# Altium PCB LST_UP.PcbDoc (part 3 of 5) (continued)
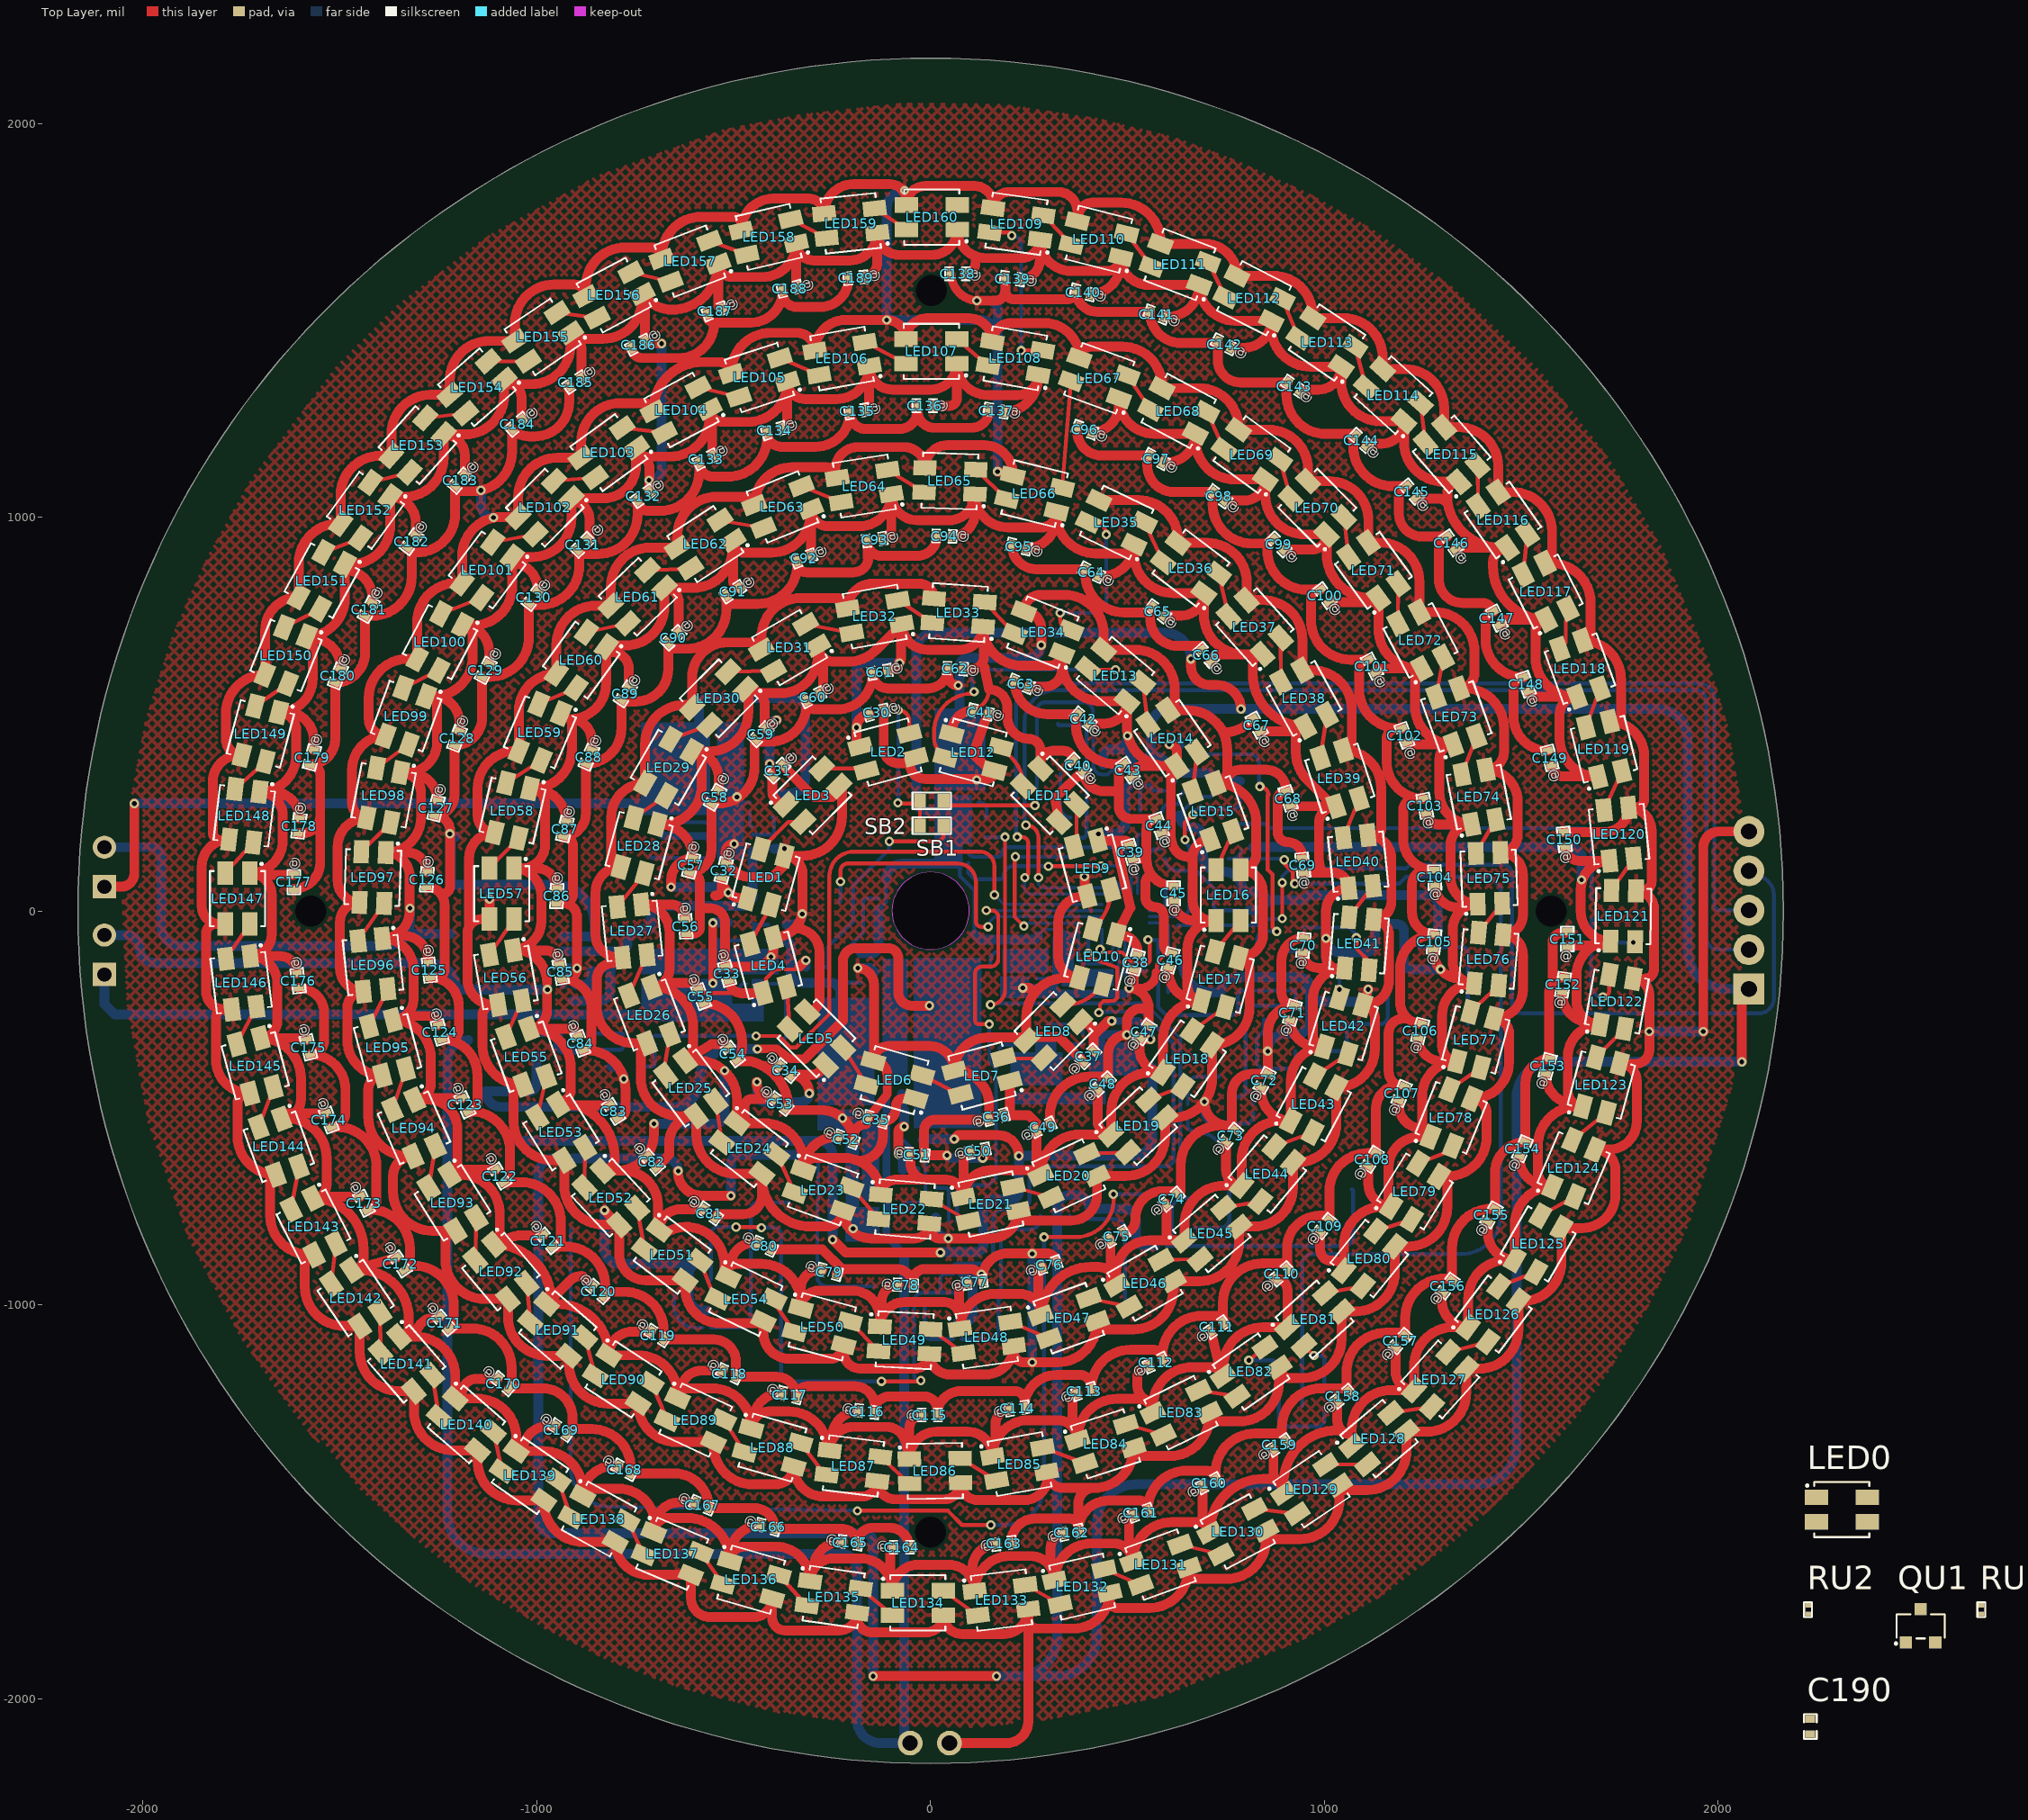
[diagram p0: Top Layer view]
## Nets (pads, with @x,y where several pads share a name; then routed paths per layer and width w, separated by ;. In a path a pad name is that pad's centre, name@x,y a point inside that pad or via, vN(x,y) a via of type N, cw(c..) or ccw(c..) an arc to the next point about the centre after c; other vN are vias at no path point) (continued)
855,928.29 ; C143.1@903.66,1344.73 C143.1@903.66,1342.73 ; C143.1@907.08,1342.73 C143.1@903.66,1342.73 ; C110.1@909.06,-908.61 ccw(c895.06,-908.61) C110.1@905,-898.76 ; C69.1@943.07,134.79 943.07,139.68 ccw(c907.36,139.68) 907.36,175.39 cw(c907.36,201.75) 881,201.75 881,282.7 cw(c902.28,282.7) C68.1@902.28,303.98 902.28,308.8 ccw(c851.93,308.8) 851.93,359.15 786.83,359.15 ccw(c786.83,322.08) 749.76,322.08 cw(c727,224.7) 827,224.7 827,145.39 cw(c787,145.39) LED16.3@787,105.39 cw(c787,48.77) 843.62,48.77 843.62,-68.71 cw(c782,-55.61) LED17.3@782,-118.61 cw(c782,-146.61) 810,-146.61 810,-244.61 cw(c715,-244.61) LED18.3@715,-339.61 715,-424.32 cw(c615,-424.32) v1@695,-484.32 ; C70.1@948.22,-67.89 ccw(c948.22,-125.11) 891,-125.11 891,-207.41 ccw(c923.82,-207.41) C71.1@923.82,-240.23 ccw(c923.82,-307.36) 856.69,-307.36 C72.1@856.69,-413.28 814.75,-413.28 ccw(c814.75,-463.03) 765,-463.03 765,-544.46 755.85,-544.46 ; LED70.3@958.34,1092.04 1011.82,1092.04 cw(c1011.82,992.04) 1111.82,992.04 LED71.3@1111.82,936.13 1141.38,936.13 cw(c1141.38,836.13) 1241.38,836.13 LED72.3@1241.38,759.41 1281,759.41 cw(c1281,659.41) 1381,659.41 1381,604.56 cw(c1342.14,604.56) LED73.3@1342.14,565.7 1356,565.7 cw(c1356,465.7) 1456,465.7 1456,404.79 cw(c1410.36,404.79) LED74.3@1410.36,359.15 cw(c1410.36,278.51) 1491,278.51 1491,193.17 cw(c1446.83,193.17) LED75.3@1446.83,149 cw(c1446.83,91.83) 1504,91.83 1504,-9.61 cw(c1453.61,-9.61) LED76.3@1453.61,-60 cw(c1453.61,-110.39) 1504,-110.39 1504,-199.05 cw(c1430.75,-199.05) LED77.3@1430.75,-272.29 cw(c1430.75,-310.54) 1469,-310.54 1469,-382.42 cw(c1375.02,-382.42) LED78.3@1375.02,-476.4 cw(c1375.02,-513.37) 1412,-513.37 1412,-573.34 cw(c1312,-573.34) 1312,-673.34 1312,-751.61 cw(c1212,-751.61) 1212,-851.61 LED80.3@1179,-851.61 1179,-916.52 cw(c1079,-916.52) 1079,-1016.52 LED81.3@1043.79,-1016.52 1043.79,-1085.61 cw(c943.79,-1085.61) 943.79,-1185.61 912.29,-1185.61 cw(c912.29,-1158.05) LED82.3@884.73,-1158.05 884.73,-1195.61 cw(c784.73,-1195.61) 784.73,-1295.61 730.02,-1295.61 cw(c730.02,-1273.26) LED83.3@707.67,-1273.26 707.67,-1283.61 cw(c607.67,-1283.61) 607.67,-1383.61 536.39,-1383.61 cw(c536.39,-1362.24) LED84.3@515.02,-1362.24 515.02,-1364.61 cw(c415.02,-1364.61) 415.02,-1464.61 ; C100.1@990.13,816.28 974.41,816.28 ; C100.1@990.13,817.48 980.09,817.48 ccw(c980.09,803.39) 974.41,816.28 ; LED129.3@1038.13,-1457.61 LED129.3@1038.13,-1470.17 ; v1(1111.31,-198.61) LED42.3@1097.62,-238.96 ; C102.1@1196.67,463.77 C102.1@1188,463.77 ; C157.1@1205.38,-1077.86 C157.1@1205.38,-1073.81 ; C106.1@1247.79,-286.06 cw(c1247.79,-230.27) 1211.89,-272.98 ; C146.1@1308.51,951.28 1248.11,951.28 cw(c1248.11,1010.39) 1189,1010.39 1189,1059.36 cw(c1208.86,1059.36) C145.1@1208.86,1079.23 1173.25,1079.23 cw(c1173.25,1179.23) 1073.25,1179.23 1073.25,1211.77 1003.66,1211.77 cw(c1003.66,1311.77) 903.66,1311.77 C143.1@903.66,1342.73 ; C146.1@1311.39,950.54 ccw(c1311.39,929.75) 1290.59,929.75 1290.59,842.98 ccw(c1351,842.98) 1351,782.57 1403.02,782.57 cw(c1403.02,760.36) C147.1@1425.24,760.36 ; C156.1@1320.13,-932.84 1305.38,-932.84 ccw(c1305.38,-1032.84) 1205.38,-1032.84 C157.1@1205.38,-1073.81 ; C156.1@1324.13,-937.19 1324.13,-855.59 cw(c1424.13,-855.59) 1424.13,-755.59 C155.1@1433.25,-755.59 1433.25,-663.56 cw(c1510.23,-663.56) C154.1@1510.23,-586.58 1510.23,-437.3 cw(c1571.79,-437.3) C153.1@1570.79,-375.75 ; C147.1@1429.2,760.36 ccw(c1429.2,740.15) 1409,740.15 1409,690.45 ccw(c1505.67,690.45) C148.1@1505.67,593.77 ccw(c1505.67,568.1) 1480,568.1 1480,494.66 ccw(c1567.52,494.66) C149.1@1567.52,407.14 ; C153.1@1571.79,-375.74 ccw(c1571.79,-437.3) C153.1@1570.79,-375.75 ; 1580,-180 1580,-78.61 ; 1580,-77.61 cw(c1601.74,-77.61) 1601.74,-55.87 ; 1602.74,-55.87 C151.1@1610.65,-55.87 ; C150.1@1607.07,200.79 1710.12,200.79 ccw(c1710.12,262.85) LED120.3@1772.18,262.85 ; C152.1@1607.57,-168.29 ccw(c1607.57,-205.08) 1570.79,-205.08 C153.1@1570.79,-375.75 ; v1@1963,-306.61 cw(c1963,-305.61) v1(1962,-305.61) 1962,162.39 cw(c2002,162.39) 2002,202.39 J1.5@2078,202.39 ; LED147.3@-1805.06,-32.67 -1815.58,-32.67 ccw(c-1815.58,-57.09) -1840,-57.09 -1840,-203.36 ccw(c-1793.88,-203.36) -1793.88,-249.49 ccw(c-1793.88,-270.61) -1815,-270.61 -1815,-376.36 ccw(c-1728.33,-376.36) LED145.3@-1728.33,-463.03 -1735.42,-463.03 ccw(c-1735.42,-487.61) -1760,-487.61 -1760,-571.61 ccw(c-1662.14,-571.61) LED144.3@-1662.14,-669.47 ccw(c-1662.14,-684.32) -1677,-684.32 -1677,-772.58 ccw(c-1577,-772.58) -1577,-872.58 LED143.3@-1569.97,-872.58 ; LED143.3@-1569.97,-872.58 ccw(c-1569.97,-891.61) -1589,-891.61 -1589,-953.53 ccw(c-1489,-953.53) -1489,-1053.53 LED142.3@-1449.68,-1053.53 -1449.68,-1118.74 ccw(c-1349.68,-1118.74) -1349.68,-1218.74 LED141.3@-1312.11,-1218.74 -1312.11,-1269.33 ccw(c-1212.11,-1269.33) -1212.11,-1369.33 LED140.3@-1150.54,-1369.33 -1150.54,-1396.12 ccw(c-1050.54,-1396.12) -1050.54,-1496.12 LED139.3@-981.95,-1496.12 -981.95,-1502.12 ccw(c-881.95,-1502.12) -881.95,-1602.12 LED138.3@-800.61,-1602.12 ccw(c-717.25,-1602.12) -717.25,-1685.47 LED137.3@-608.72,-1685.47 -608.72,-1743.89 ccw(c-560,-1743.89) -560,-1792.61 -449.81,-1792.61 ccw(c-449.81,-1745.31) LED136.3@-402.51,-1745.31 -402.51,-1794.1 ccw(c-370,-1794.1) -370,-1826.61 -231.73,-1826.61 ccw(c-231.73,-1781.39) LED135.3@-186.51,-1781.39 -186.51,-1793.1 ccw(c-148,-1793.1) -148,-1831.61 -12,-1831.61 ccw(c-12,-1787.61) LED134.3@32,-1787.61 ccw(c80,-1787.61) 80,-1835.61 184.88,-1835.61 ccw(c184.88,-1772.61) 240.53,-1802.14 ; C171.1@-1214.38,-1059.56 -1164,-1059.56 cw(c-1164,-1159.56) -1064,-1159.56 -1064,-1208.28 cw(c-1067.47,-1208.28) C170.1@-1067.47,-1211.75 ; LED52.3@-794.24,-796.04 LED52.3@-790.76,-796.04 -790.76,-869.85 ccw(c-723,-869.85) -723,-937.61 LED51.3@-623.15,-937.61 ; C89.1@-785.08,532.36 -748.75,532.36 ccw(c-748.75,614.8) -666.31,614.8 C90.1@-666.31,670.16 ; C90.1@-666.31,670.16 ccw(c-656.37,681.37) -656.37,666.39 -618.54,666.39 ccw(c-618.54,766.39) -518.54,766.39 -518.54,794.93 ccw(c-504,794.93) -504,780.39 -438.54,780.39 ccw(c-438.54,880.39) -338.54,880.39 C92.1@-338.54,884.93 ; LED51.3@-623.15,-937.61 -623.15,-958.46 ccw(c-535,-958.46) -535,-1046.61 -430,-1046.61 ccw(c-430,-1041.21) LED54.3@-424.6,-1041.21 -424.6,-1071.01 ccw(c-359,-1071.01) -359,-1136.61 -254.93,-1136.61 ccw(c-254.93,-1102.36) LED50.3@-220.68,-1102.36 -220.68,-1119.93 ccw(c-179,-1119.93) -179,-1161.61 -40.71,-1161.61 ccw(c-40.71,-1124.05) LED49.3@-3.15,-1124.05 ccw(c49.41,-1124.05) 49.41,-1176.61 139.08,-1176.61 ccw(c139.08,-1104.42) LED48.3@211.27,-1104.42 211.27,-1119.88 ccw(c237,-1119.88) 237,-1145.61 v2(258,-1145.61) 322.31,-1145.61 ccw(c322.31,-1045.61) 422.31,-1045.61 LED47.3@422.31,-1043.5 ; LED30.3@-605.65,524.04 -625,524.04 ccw(c-625,424.04) -725,424.04 LED29.3@-725,324.7 ccw(c-725,238.7) -811,238.7 -811,107.32 ccw(c-786.75,47.87) -850.95,47.87 -850.95,-59.61 ccw(c-792.81,-59.61) -792.81,-117.76 -806.71,-131.66 ccw(c-806.71,-172.95) -848,-172.95 -848,-241.39 ccw(c-754.36,-241.39) -754.36,-335.03 LED26.3@-719.9,-335.03 ccw(c-719.9,-351.14) -736,-351.14 -736,-423.83 ccw(c-639.94,-423.83) -639.94,-519.89 LED25.3@-594.98,-519.89 ; LED25.3@-594.98,-519.89 -594.98,-566.87 ccw(c-494.98,-566.87) -494.98,-666.87 LED24.3@-428.27,-666.87 LED24.3@-428.27,-677.96 ; -585.72,7.39 -559,7.39 cw(c-559,-30.03) -521.58,-30.03 C33.1@-521.58,-140.87 -446.87,-140.87 ccw(c-446.87,-92.59) -398.59,-92.59 -398.59,-67.19 ccw(c-398.67,6.48) -344.3,-43.24 ; LED1.3@-371.25,140.71 cw(c-371.25,94.46) -325,94.46 -325,6.48 cw(c-398.67,6.48) -344.3,-43.24 ; LED1.3@-371.25,140.71 -325.04,140.71 ccw(c-325.04,240.71) -225.04,240.71 LED3.3@-225.04,314.35 ; C92.1@-338.54,884.93 ccw(c-314,884.93) -314,860.39 -196,860.39 ccw(c-196,898.39) -158,898.39 cw(c-158,900.7) -160.31,900.7 C93.1@-160.31,936.7 ; LED6.3@-143.94,-370.91 cw(c-106.97,-380.92) -106.97,-342.61 -2.17,-342.61 cw(c-2.17,-404.95) LED7.3@60.17,-404.95 ; LED7.3@60.17,-404.95 cw(c144.15,-404.95) 144.15,-320.96 244.35,-320.96 cw(c244.35,-319.61) 243,-319.61 243,-269.36 cw(c343,-269.36) 343,-169.36 LED10.3@378.25,-169.36 cw(c378.25,-114.85) 323.74,-114.85 323.74,-28.97 cw(c391.25,-28.97) LED9.3@391.25,38.54 ; 189.68,1575.71 ccw(c212,1575.71) 212,1553.39 346.57,1553.39 ccw(c346.57,1575.87) C140.1@369.05,1575.87 ccw(c422.9,1575.87) 422.9,1522.02 C141.1@556.73,1522.02 ccw(c636.01,1522.02) 636.01,1442.73 729,1442.73 729,1400.12 ccw(c786.38,1400.12) 786.38,1342.73 C143.1@903.66,1342.73 ; C42.1@368.83,500.28 368.83,473.54 ccw(c468.83,473.54) 468.83,373.54 482.65,373.54 ccw(c482.65,381.29) 488.12,375.81 ccw(c512.47,351.46) 478.04,351.46 478.04,304.39 ; C162.1@375.03,-1564.64 375.03,-1504.6 cw(c415.02,-1504.6) 415.02,-1464.61 ; C162.1@375.03,-1564.64 C162.1@375.03,-1573.59 cw(c452.01,-1573.59) 452.01,-1496.61 530,-1496.61 cw(c530,-1517.99) 551.38,-1517.99 C161.1@551.38,-1520.61 ; C113.1@407.59,-1213.61 cw(c507.59,-1213.61) 507.59,-1113.61 563.74,-1113.61 cw(c563.74,-1138.5) C112.1@588.63,-1138.5 588.63,-1127.55 cw(c688.63,-1127.55) 688.63,-1027.55 728.11,-1027.55 cw(c728.11,-1043.6) C111.1@742.15,-1035.84 ; LED47.3@422.31,-1043.5 ccw(c440.74,-1043.5) 440.74,-1061.93 516,-1061.93 ccw(c516,-961.93) 616,-961.93 LED46.3@616,-939.61 683.45,-939.61 ccw(c683.45,-839.61) 783.45,-839.61 LED45.3@783.45,-800.93 820.33,-800.93 ccw(c820.33,-700.93) 920.33,-700.93 LED44.3@920.33,-638.14 930.55,-638.14 ccw(c930.55,-538.14) 1030.55,-538.14 LED43.3@1030.55,-447.8 ccw(c1030.55,-350.34) 1128,-350.34 1128,-269.34 ccw(c1097.62,-269.34) LED42.3@1097.62,-238.96 ; 478.04,304.39 478.04,265.39 ccw(c509.04,265.39) 509.04,234.39 C44.1@574,234.39 ccw(c574,208.39) 548,208.39 548,132.89 ; 548,132.89 ccw(c617,132.89) 562.88,90.09 ; C161.1@551.38,-1520.61 cw(c651.38,-1520.61) 651.38,-1420.61 700.02,-1420.61 cw(c700.02,-1443.93) C160.1@723.33,-1443.93 723.33,-1426.61 cw(c823.33,-1426.61) 823.33,-1326.61 891.97,-1326.61 891.97,-1311.64 cw(c991.97,-1311.64) 991.97,-1211.64 1056.18,-1211.64 1056.18,-1170.61 cw(c1156.18,-1170.61) 1156.18,-1070.61 1202.18,-1070.61 cw(c1202.18,-1073.81) C157.1@1205.38,-1073.81 ; v1@695,-484.32 ccw(c755.85,-483.61) 755.85,-544.46 ; C98.1@715.84,1064.26 715.84,1033.83 ccw(c815.84,1033.83) 815.84,933.83 855,933.83 855,928.29 ; C111.1@742.15,-1035.84 742.15,-994.61 cw(c842.15,-994.61) 842.15,-894.61 895.06,-894.61 cw(c895.06,-908.61) C110.1@905,-898.76 ; 855,928.29 855,916.28 ccw(c955,916.28) 955,816.28 974.41,816.28 ; C110.1@905,-898.76 905,-855.51 cw(c987,-855.51) 987,-773.51 1003.52,-773.51 cw(c1003.52,-782.63) 1012.64,-782.63 1012.64,-710.85 cw(c1108.88,-710.85) 1108.88,-614.61 C108.1@1131,-614.61 1131,-500.31 cw(c1188.23,-500.31) 1188.23,-443.07 cw(c1202.93,-405.94) 1163,-405.94 1163,-309.61 cw(c1199.63,-309.61) 1199.63,-272.98 1211.89,-272.98 ; 974.41,816.28 ccw(c980.09,803.39) 966,803.39 966,738.72 ccw(c1066,738.72) 1066,638.72 1110.88,638.72 ccw(c1110.88,615.84) 1088,615.84 1088,563.77 ccw(c1188,563.77) C102.1@1188,463.77 ; LED129.3@1038.13,-1470.17 1108.45,-1470.17 ccw(c1108.45,-1370.17) 1208.45,-1370.17 LED128.3@1208.45,-1321.93 1260.32,-1321.93 ccw(c1260.32,-1221.93) 1360.32,-1221.93 LED127.3@1360.32,-1162.01 1392.7,-1162.01 ccw(c1392.7,-1062.01) 1492.7,-1062.01 LED126.3@1492.7,-990.51 1502,-990.51 ccw(c1502,-890.51) 1602,-890.51 LED125.3@1602,-804.61 1654.39,-804.61 ccw(c1654.39,-720) 1739,-720 1739,-657.47 ccw(c1686.86,-657.47) LED124.3@1686.86,-605.33 1722.28,-605.33 ccw(c1722.28,-534.61) 1793,-534.61 1793,-430.54 ccw(c1749.75,-430.54) LED123.3@1749.75,-387.29 1790.32,-387.29 ccw(c1790.32,-352.61) 1825,-352.61 v1(1825,-305.61) 1825,-212.01 ccw(c1784.42,-212.01) LED122.3@1784.42,-171.44 1813.17,-171.44 ccw(c1813.17,-147.61) 1837,-147.61 1837,5.63 ccw(c1791.22,5.63) LED121.3@1791.22,51.4 1806.01,51.4 ccw(c1806.01,76.39) 1831,76.39 1831,204.04 ccw(c1772.18,204.04) LED120.3@1772.18,262.85 ; C102.1@1188,463.77 1185.24,463.77 ccw(c1185.24,436.53) 1158,436.53 1158,379.02 ccw(c1251.47,379.02) C103.1@1251.47,285.55 1229.2,285.55 ccw(c1229.2,256.35) 1200,256.35 1200,183.23 ccw(c1279.35,183.23) 1263.61,105.46 1261.23,105.46 ccw(c1261.23,66.39) 1222.16,66.39 1222.16,-1.45 ccw(c1279.99,-1.45) C105.1@1279.99,-59.28 ccw(c1279.99,-147.27) 1192,-147.27 1192,-230.27 ccw(c1247.79,-230.27) 1211.89,-272.98
  Bottom Layer w8: 493,-171.61 U3.21@493,-29.1
  Bottom Layer w10: C192a.1@-930.83,-154.94 cw(c-921,-154.94) C192a.1@-921,-145.11 ; v2@-898,-145.11 v2(-898,-145) ; Q13a.2@-818.4,-394.34 Q13a.2@-810.66,-394.34 ; C4.1@-540.81,-127.29 ccw(c-539,-127.29) C4.1@-539,-129.1 ; -487,272.39 cw(c-483.18,272.39) -483.18,276.21 C7.2@-459,276.21 ; 203,-206.11 207.5,-201.61 212,-201.61 ; C13.1@317.23,-68.61 C13.1@318.33,-69.71 ; 494,-171.61 502,-179.61 v1@502,-195.61 ; 732.85,-539.61 806.39,-539.61 819,-527 R24.2@819,-511.44
  Bottom Layer w18: U4.9@318.33,-162.74 C13.1@318.33,-69.71
  Bottom Layer w22: R35a.1@-932.83,-187 -932.83,-174.44 v2@-903.5,-145.11 ; C4.1@-540.81,-127.29 C8.2@-540.81,-79.1 ; 464,-210.61 487,-210.61 ccw(c487,-195.61) v1@502,-195.61
  Bottom Layer w25: P9.1@-1205,189.39 ccw(c-1205,176.39) -1218,176.39 P7.1@-1218,67.39 -1120,67.39 ; v1(-1141.84,1068.65) -1141.84,1031.23 ccw(c-1110,1031.23) v1(-1110,999.39) ; v1(-1120,30.39) -1120,52.39 -1119.94,53.74 cw(c-1105,52.39) -1105,67.39 -954,67.39 cw(c-954,-32.61) -854,-32.61 C22.2@-854,-64.61 C21.2@-894,-64.61 C20.2@-934,-64.61 ; C192a.1@-921,-145.11 v2@-903.5,-145.11 ; v1(-828,-759.61) -828,-858.69 ccw(c-791.08,-858.69) -791.08,-895.61 -589,-895.61 ; Q13a.2@-810.66,-394.34 cw(c-810.66,-426) v2(-779,-426) ; R26.2@-583.47,-895.61 -589,-895.61 ; Q10.2@-566.68,-1014.01 -578.6,-1014.01 cw(c-578.6,-978.61) -614,-978.61 -614,-920.61 cw(c-589,-920.61) -589,-895.61 ; C2.1@-507.5,364.4 ccw(c-494.49,364.4) -494.49,351.39 C2.1@-493.07,352.81 ; R14.2@-397.5,158.89 -371.11,158.89 v2(-371,159) ; -366,-34.1 -351,-34.1 ccw(c-351,-9.1) -326,-9.1 v2(-326,-7) ; v2(-185,-144.61) -152.5,-144.61 C25.1@-142.5,-154.61 ; v1(-66,1830.39) ccw(c-66,1784.92) -111.46,1784.92 v1(-111.46,1501.39) 124.81,1501.39 cw(c124.81,1456.2) 170,1456.2 ; Q12.2@13.34,-777.33 13.34,-799.34 ccw(c45,-799.34) v2(45,-831) ; v1(41.61,-620.22) 48.41,-627.02 v1@130.16,-627.02 ; Q11.2@69.8,-1044 ccw(c70.32,-998.68) Q11.2@70.32,-1044.01 ; R27.2@81.24,-922.02 106.9,-947.68 ; Q11.2@85.52,-1043.81 ccw(c85.24,-1022.18) 106.88,-1022.18 106.9,-947.68 ; X1.3@113,475.37 cw(c113,515.37) 73,515.37 73,620.39 cw(c96,620.39) 96,643.39 249,643.39 ccw(c249,675.39) v1(281,675.39) ; v1(117.5,1550.39) 147,1550.39 cw(c147,1527.39) 170,1527.39 170,1456.2 ; v1(129,-921.61) ccw(c129,-943.71) 106.9,-943.71 106.9,-947.68 ; v1(170,1116.39) 170,1456.2 ; v2(258,-1145.61) v2(258,-870) ; C11.1@640.5,-131.61 ccw(c715,-131.61) 715,-206.11 SW1.2@736.93,-206.11 cw(c775.43,-206.11) 775.43,-167.61 933,-167.61 cw(c933,-203.61) 968.65,-198.61 ; v1(695,-483.61) 695,-502.36 Q8.2@695.6,-502.36 ccw(c732.85,-502.36) 732.85,-539.61 ; v1(856,-355.61) cw(c900,-355.61) 900,-311.61 Q9.2@931,-311.61 ccw(c931,-278.61) 964,-278.61 964,-198.61 ; R25.2@952.83,-198.61 964,-198.61 ; v1(1111.31,-198.61) cw(c1079.25,-198.61) 1079.25,-230.68 996.07,-230.68 cw(c996.07,-203.61) 969,-203.61 ccw(c933,-203.61) 968.65,-198.61 ; v1(1825,-305.61) v1(1962,-305.61) ; 964,-198.61 968.65,-198.61
  other v1: -405.23,-116 -1220.97,196.42 -491.53,290.19 117,333.39
  other v2: -197,-806 390.5,87.89
INT: U3.5 U5.3 | length 706.2
  Top Layer w10: v1(215,138.39) 213.19,136.58 213.19,-14.11 v1(237,-37.92)
  Bottom Layer w8: v1@237,-40.84 247.23,-30.61 362,-30.61 cw(c362,-44.61) 376,-44.61 376,-124.34 385.66,-134 455.61,-134 462.5,-127.11 U3.5@462.5,-73.16
  Bottom Layer w10: v1(215,138.39) 215.5,137.89 U5.3@355.82,137.89
LED: Q3.2 R6.2 SB7.1 | length 304.1
  Bottom Layer w10: Q3.2@-176.68,-182.01 -207.6,-182.01 -218,-171.61 -218,-102.61 -171,-55.61 SB7.1@-171,23.39 cw(c-162.17,23.39) -162.17,32.22 R6.2@-132,32.22
LED_0: LED0.4 QU1.3 RU1.2
LED_A: Q1.2 R2.2 SB9.2 | length 147
  Bottom Layer w10: SB9.2@531,254.89 531,295.22 cw(c557,295.22) Q1.2@557,321.22 ccw(c572.43,321.22) 572.43,305.79 R2.2@614,305.79
LED_B: Q2.2 R4.2 SB10.2 | length 109
  Bottom Layer w10: SB10.2@589,254.89 cw(c605.83,254.89) 605.83,271.72 R4.2@630,271.72 630,293 Q2.2@660,314.87
LED_C: Q4.2 R8.2 SB11.2 | length 271.8
  Bottom Layer w10: SB11.2@596,132.39 ccw(c625,132.39) 600,117.69 ccw(c625,132.39) 625,103.39 674,103.39 Q4.2@723.71,53.68 ; Q4.2@718.6,48.57 719,48.57 719,13.89 ccw(c730.5,13.89) 730.5,2.39 R8.2@784.35,2.39
LED_D: Q5.2 R10.2 SB12.2 | length 293.2
  Top Layer w10: v2@645.89,175.09 645.89,225.27 v1(666,245.39)
  Bottom Layer w10: v2@645.89,175.09 657,163.97 SB12.2@657,131.39 ; v1(666,245.39) cw(c679.9,245.39) 679.9,259.29 Q5.2@691.68,259.29 768.31,259.29 ccw(c768.31,275.98) 785,275.98 R10.2@785,305.79
  other v2: 645.89,181.09
LED_E: QU1.2 RU2.2 U3.1
LED_IN: Q3.3 R5.2 SB1.1 | length 586.2
  Top Layer w10: v1(-105,177.39) 22,177.39 33,188.39 SB1.1@33,217.39
  Bottom Layer w10: R5.2@-290.17,-141.61 Q3.3@-262.32,-141.6 ; Q3.3@-261.32,-144.6 -261.32,-91.32 -197,-27 -197,65.39 -106,156.39 -106,176.39 v1(-105,177.39)
LED_IN_A: Q1.3 R1.2 SB2.1 | length 881.2
  Top Layer w10: SB2.1@33,280.39 ccw(c45,280.39) 45,268.39 v1(265,268.39)
  Bottom Layer w10: v1(265,268.39) ccw(c265,273.39) 270,273.39 270,510.39 cw(c290,510.39) 290,530.39 387.76,530.39 cw(c387.76,505.15) 413,505.15 413,370.39 ccw(c436.49,370.39) 436.49,346.9 449.51,346.9 461.23,358.62 Q1.3@472.35,358.62 ccw(c472.35,354.26) 468,354.26 cw(c468,348.26) Q1.3@474,348.26
LED_IN_B: Q2.3 R3.2 SB4.1 | length 737.4
  Top Layer w10: v1(836,316.39) cw(c836,294.39) 858,294.39 ; 856,294.39 856,105.68 868.19,93.48 868.19,-40.81 v1(879,-51.61)
  Bottom Layer w10: R3.2@662.83,423.39 ccw(c686.7,423.39) 686.7,399.51 Q2.3@697.4,399.51 697.4,399.39 ccw(c698.4,399.39) 698.4,398.39 812,398.39 cw(c812,376.39) 834,376.39 834,318.39 ccw(c836,318.39) v1(836,316.39) ; SB4.1@829,-97.61 829,-72.55 cw(c850.94,-72.55) 850.94,-50.61 878,-50.61 cw(c878,-51.61) v1(879,-51.61)
LED_IN_C: Q4.3 R7.2 SB_L2.1 | length 2556.5
  Top Layer w10: v1(898,130.39) 898,121.08 920,99.08 920,75.39 v1@925.69,69.7
  Bottom Layer w10: Q4.3@756.01,133.22 756.01,133.39 Q4.3@768.65,133.39 ; R7.2@789,156.39 cw(c765.83,156.39) Q4.3@768.65,133.39 ; v1@898,133.39 Q4.3@768.65,133.39 ; v1@925.69,69.7 1189.96,69.7 1207.26,87 1421,87 1448,60 1448,-770.61 cw(c1348,-770.61) 1348,-870.61 969,-870.61 ccw(c969,-895.61) 944,-895.61 SB_L2.1@944,-1257.61
  other v1: 924.69,69.7
LED_IN_D: Q5.3 R9.2 SB_L4.1 | length 1078.6
  Bottom Layer w10: Q5.3@776.32,222.22 R9.2@825,222.22 849.17,222.22 860.5,210.89 1656.43,210.89 ; 1657.43,210.89 cw(c1657.43,189.32) 1679,189.32 SB_L4.1@1679,40.39 SB_L4.1@1679,29.39
NetC7_1: C7.1 U1.6 | length 42.6
  Bottom Layer w10: C7.1@-459,252.59 -459,220.39 ccw(c-452.38,220.39) U1.6@-452.38,213.77
NetC8_1: C8.1 U2.6 | length 52.3
  Bottom Layer w10: C8.1@-517.19,-79.1 cw(c-512.19,-79.1) -512.19,-74.1 U2.6@-467.74,-74.1
NetD1_1: D1.1 L10.2 LS1.1 | length 784.6
  Bottom Layer w10: D1.1@670.75,-729.2 643.65,-729.2 ccw(c643.65,-760.85) 612,-760.85 612,-837.3 cw(c598.69,-837.3) L10.2@598.69,-850.61 1050,-850.61 ccw(c1050,-827.61) 1073,-827.61 1073,-710.13 ccw(c1069.48,-710.13) LS1.1@1069.48,-706.61
NetD2_1: D2.1 L11.2 LS2.1 | length 324
  Bottom Layer w10: D2.1@1235.41,-81.93 ccw(c1244.48,-81.93) 1244.48,-91.01 L11.2@1285,-91.01 1350.74,-91.01 cw(c1350.74,-104.75) 1364.48,-104.75 LS2.1@1364.48,-286.61
NetD3_1: D3.1 L12.2 LS4.1 | length 469.5
  Bottom Layer w10: L12.2@-285.35,-619 -285.35,-737.69 D3.1@-287.59,-739.93 -287.59,-929.02 ccw(c-264,-929.02) -264,-952.61 LS4.1@-142.52,-952.61
NetD4_1: D4.1 L13.2 LS3.1 | length 334.3
  Bottom Layer w10: D4.1@353.41,-772.93 ccw(c362.48,-772.93) 362.48,-782.01 L13.2@400,-782.01 466.67,-782.01 cw(c466.67,-808.82) 493.48,-808.82 LS3.1@493.48,-982.61
NetD5_1: D5.1 Q12.3 R33.1 | length 229.5
  Bottom Layer w10: D5.1@-70.13,-581.6 -13.17,-638.55 R33.1@-13.17,-656 -13.38,-656 -13.38,-720 cw(c-33.31,-720) -33.31,-739.93 Q12.3@-69.34,-739.93
NetD5a_1: D5a.1 Q13a.3 R34a.1 | length 210.8
  Bottom Layer w10: D5a.1@-871.6,-310.34 -782.32,-310.34 cw(c-782.32,-311.66) Q13a.3@-781,-311.66 -781,-344.17 cw(c-788.83,-344.17) -788.83,-352 R34a.1@-863.5,-352
NetL1_1: L1.1 U1.1 U1.2 | length 170.8
  Bottom Layer w10: L1.1@-711,139.89 ccw(c-706.13,139.89) -706.13,135.03 U1.1@-562.62,135.03 U1.2@-562.62,154.71
NetL2_1: L2.1 U2.1 U2.2 | length 193
  Bottom Layer w10: U2.2@-408.68,-184.34 U2.1@-389,-184.34 -374.66,-184.34 -367,-192 -367,-319.58 L2.1@-381.52,-334.1
NetL3_2: L3.2 U3.4 | length 88.4
  Bottom Layer w8: L3.2@477.83,-161.61 U3.4@477.83,-73.16
NetL4_1: L4.1 SB13.2 | length 45.1
  Bottom Layer w10: SB13.2@152,-142.61 152,-116.35 L4.1@165.35,-103
NetL5_1: L5.1 SB14.2 | length 47.7
  Bottom Layer w10: SB14.2@174,-348.73 183,-339.73 L5.1@218,-339.73
NetL8_2: L8.2 U5.8 | length 53.9
  Bottom Layer w10: L8.2@120.83,275.57 126.82,275.57 cw(c126.82,260.39) 142,260.39 142,240.6 cw(c139.28,240.6) U5.8@139.28,237.89
NetL9_2: L9.2 U6.5 | length 45.7
  Bottom Layer w10: L9.2@344.91,-329.61 ccw(c353.58,-329.61) 353.58,-338.28 U6.5@385.61,-338.28
NetQ8_3: Q8.3 R28.2 | length 140.5
  Bottom Layer w10: R28.2@653,-489.78 653,-444.61 cw(c677,-444.61) 677,-420.61 730.11,-420.61 ccw(c730.11,-417.72) Q8.3@733.01,-417.72
NetQ9_3: Q9.3 R29.2 | length 263.6
  Bottom Layer w10: Q9.3@846.35,-274.21 846.35,-303.65 828,-322 828,-388 839.61,-399.61 918,-399.61 926.17,-391.44 R29.2@926.17,-355.61
NetQ10_3: Q10.3 R30.2 | length 129.4
  Bottom Layer w10: Q10.3@-651.32,-976.6 -651.32,-1002.49 ccw(c-596.2,-1002.49) -596.2,-1057.61 R30.2@-579.26,-1057.61
NetQ11_3: Q11.3 R31.2 | length 146.2
  Bottom Layer w10: Q11.3@-15.32,-1006.6 -15.32,-1072.82 ccw(c-1.53,-1072.82) -1.53,-1086.61 R31.2@56.74,-1086.61
NetQ12_1: Q12.1 R32.1 | length 113.9
  Bottom Layer w10: Q12.1@13.34,-702.53 36.45,-702.53 cw(c36.45,-712) 45.92,-712 R32.1@45.92,-787.93
NetQ13a_1: Q13a.1 R33a.1 | length 96.1
  Bottom Layer w10: Q13a.1@-743.6,-394.34 -707.92,-394.34 ccw(c-707.92,-387.42) -701,-387.42 R33a.1@-701,-337.83
NetR13_1: R13.1 R14.1 U1.7 | length 101.3
  Bottom Layer w10: U1.7@-452.38,194.08 -399.31,194.08 ccw(c-399.31,195.89) R14.1@-397.5,195.89 -397.5,233.4 ccw(c-402.5,233.4) R13.1@-402.5,238.4
NetR15_1: R15.1 R16.1 U2.7 | length 84
  Bottom Layer w10: R15.1@-454,-29.1 R15.1@-449,-34.1 ; U2.7@-448.06,-74.1 -448.06,-35.05 R15.1@-449,-34.1 ; R16.1@-412.5,-34.1 R15.1@-449,-34.1
NetR17_2: R17.2 U1.5 | length 81.8
  Bottom Layer w10: R17.2@-637.5,225.9 -574.75,225.9 cw(c-574.75,213.77) U1.5@-562.62,213.77
NetR18_2: R18.2 U2.5 | length 48.3
  Bottom Layer w10: R18.2@-478,-218.11 -484,-212.11 -484,-191.61 -476.73,-184.34 U2.5@-467.74,-184.34
NetR20_1: R20.1 U4.6 | length 27.7
  Bottom Layer w10: R20.1@270,-170.65 U4.6@297.66,-170.61
NetR23_1: R23.1 U6.4 | length 39.9
  Bottom Layer w10: R23.1@350.5,-372.28 377.2,-372.28 ccw(c377.2,-363.87) U6.4@385.61,-363.87
NetSB7_2: SB7.2 U3.8 | length 909
  Top Layer w10: v1(-229,75) -229,102.06 cw(c-209.8,102.06) -209.8,121.26 68.05,121.26 ; 68.05,121.12 cw(c68.05,73.86) 103.77,104.8 ; 103.47,104.94 cw(c67.74,74) 113.57,85.54 cw(c67.74,74) 115,74 115,-26.25 ccw(c128.36,-26.25) 128.36,-39.61 v1@150,-39.61
  Bottom Layer w8: v1@150,-35.11 cw(c171,-35.11) 171,-14.11 U3.8@434.94,-14.11
  Bottom Layer w10: v1(-229,75) -229,25.39 SB7.2@-231,23.39 ; v1@150,-39.61 v1@150,-35.11 ; SB7.2@-231,23.39 ccw(c-231,22.39) -232,22.39 SB7.2@-231,23.39
  other v1: 146,-39.61